# Altium PCB WL-MAIN.PcbDoc (part 1 of 3) (continued)
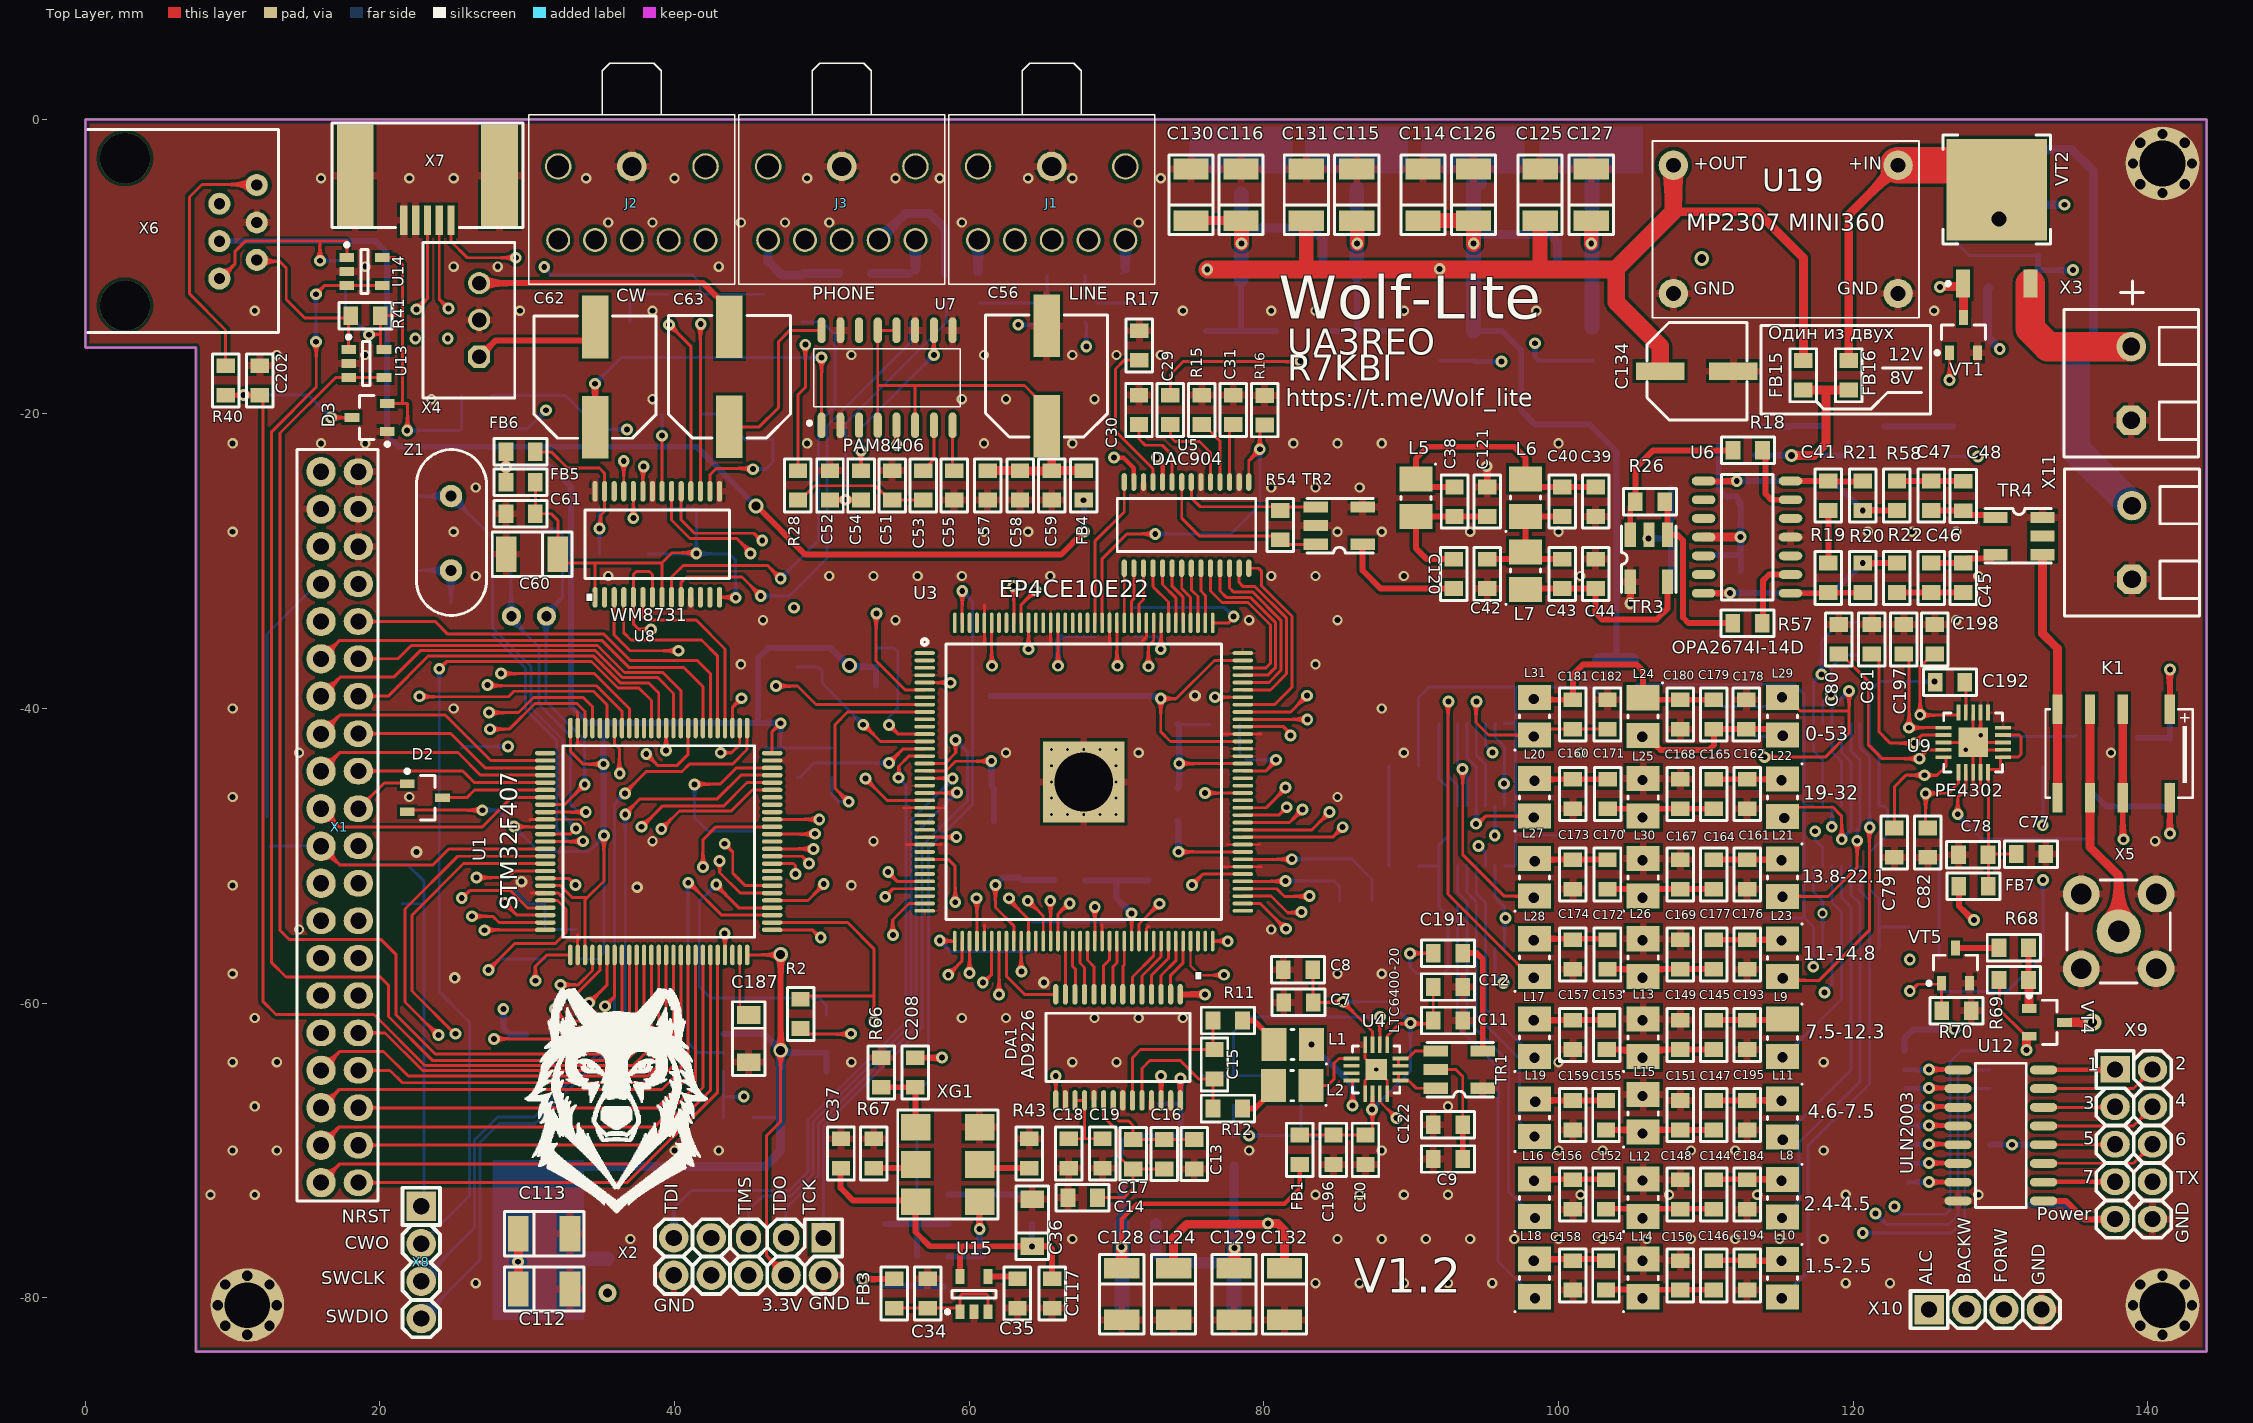
[diagram p0: Top Layer view]
## Components (designator, comment, footprint, x,y, rotation, side; value= is the part's Value field where it differs from the comment) (continued)
C124 "10uF 10V" TANTAL_B#1 73.875,-79.75 r270 top
C125 "10uF 10V" TANTAL_B#1 98.75,-5.125 r90 top
C126 "10uF 10V" TANTAL_B#1 94.232,-5.125 r90 top
C127 "10uF 10V" TANTAL_B#1 102.225,-5.125 r90 top
C128 "10uF 10V" TANTAL_B#1 70.35,-79.75 r270 top
C129 "10uF 10V" TANTAL_B#1 77.975,-79.75 r270 top
C130 "10uF 10V" TANTAL_B#1 75.058,-5.125 r90 top
C131 "10uF 10V" TANTAL_B#1 82.883,-5.125 r90 top
C132 "10uF 10V" TANTAL_B#1 81.4,-79.75 r270 top
C133 "0.1" CH0805C 54.305,-78.173 r90 bottom
C134 "10uF 16V" POLIMER-D 109.4,-17.1 r0 top
C135 "0.1" CH0805C 29.025,-56 r90 bottom
C136 "0.1" CH0805C 112.475,-54.15 r180 bottom
C137 "0.1" CH0805C 100.6,-37.725 r90 bottom
C138 "0.1" CH0805C 100.975,-48.6 r0 bottom
C139 "0.1" CH0805C 89.5,-46.158 r180 bottom
C140 "0.1" CH0805C 85.15,-54.025 r270 bottom
C141 "0.1" CH0805C 121.375,-36.35 r0 bottom
C142 "0.1" CH0805C 87.35,-54.025 r270 bottom
C143 "0.1" CH0805C 121.325,-34.15 r0 bottom
C144 "150p" CH0805C 110.55,-72.992 r270 top
C145 "33p" CH0805C 110.55,-62.15 r270 top
C146 "220p" CH0805C 110.55,-78.475 r270 top
C147 "75p" CH0805C 110.55,-67.6 r270 top
C148 "200p" CH0805C 108.275,-72.992 r270 top
C149 "56p" CH0805C 108.275,-62.15 r270 top
C150 "330p" CH0805C 108.275,-78.475 r270 top
C151 "120p" CH0805C 108.275,-67.6 r270 top
C152 "150p" CH0805C 103.225,-72.992 r90 top
C153 "33p" CH0805C 103.275,-62.15 r90 top
C154 "220p" CH0805C 103.225,-78.475 r90 top
C155 "75p" CH0805C 103.225,-67.6 r90 top
C156 "220p" CH0805C 100.975,-72.992 r90 top
C157 "68p" CH0805C 100.975,-62.15 r90 top
C158 "390p" CH0805C 100.975,-78.475 r90 top
C159 "150p" CH0805C 100.975,-67.6 r90 top
C160 "39p" CH0805C 100.975,-45.8 r90 top
C161 "47p" CH0805C 112.8,-51.258 r90 top
C162 "39p" CH0805C 112.8,-45.8 r90 top
C163 "22p" CH0805C 111.1,-40.875 r90 bottom
C164 "22p" CH0805C 110.55,-51.258 r270 top
C165 "22p" CH0805C 110.55,-45.8 r270 top
C166 "22p" CH0805C 113.275,-40.875 r270 bottom
C167 "39p" CH0805C 108.275,-51.258 r270 top
C168 "33p" CH0805C 108.275,-45.8 r270 top
C169 "47p" CH0805C 108.275,-56.692 r270 top
C170 "22p" CH0805C 103.325,-51.258 r90 top
C171 "22p" CH0805C 103.35,-45.8 r90 top
C172 "15p" CH0805C 103.325,-56.692 r90 top
C173 "47p" CH0805C 100.975,-51.258 r90 top
C174 "56p" CH0805C 100.975,-56.692 r90 top
C175 "8.2n" CH0805C 130.125,-13.7 r0 bottom
C176 "56p" CH0805C 112.8,-56.692 r90 top
C177 "15p" CH0805C 110.55,-56.692 r270 top
C178 "91p" CH0805C 112.75,-40.4 r270 top
C179 "15p" CH0805C 110.55,-40.4 r90 top
C180 "91p" CH0805C 108.275,-40.4 r90 top
C181 "22p" CH0805C 100.975,-40.4 r270 top
C182 "22p" CH0805C 103.325,-40.4 r270 top
C183 "0.1" CH0805C 107.125,-37.725 r90 bottom
C184 "220p" CH0805C 112.8,-72.992 r90 top
C185 "0.1" CH0805C 132.95,-69.525 r0 bottom
C186 "0.1" CH0805C 132.025,-72.675 r270 bottom
C187 "1uF 10V" TANTAL_A#2 45.025,-62.4 r270 top
C188 "0.1" CH0805C 139.35,-43 r270 bottom
C189 "22uF 10V" TANTAL_B#2 46.675,-20 r90 bottom
C190 "0.1" CH0805C 41.742,-19 r90 bottom
C191 "0.1" CH0805C 92.5,-56.6 r180 top
C192 "0.1" CH0805C 126.575,-38.225 r180 top
C193 "68p" CH0805C 112.8,-62.15 r90 top
C194 "390p" CH0805C 112.8,-78.475 r90 top
C195 "150p" CH0805C 112.8,-67.6 r90 top
C196 "1000p" CH0805C 84.725,-69.95 r90 top
C197 "0.1" CH0805C 123.45,-35.3 r270 top
C198 "0.1" CH0805C 125.55,-35.3 r270 top
C199 "0.1" CH0805C 35.175,-39.575 r90 bottom
C200 "0.1" CH0805C 63.569,-50.625 r90 bottom
C201 "0.1" CH0805C 29.2,-10.375 r270 bottom
C202 "0.1" CH0805C 11.85,-17.725 r270 top
C203 "0.1" CH0805C 61.7,-55.5 r270 bottom
C204 "0.1" CH0805C 74.95,-34.125 r90 bottom
C205 "0.1" CH0805C 41.45,-25.425 r90 bottom
C206 "10uF 10V" TANTAL_B#2 34.9,-31.25 r270 bottom
C207 "0.1" CH0805C 60.75,-78.173 r270 bottom
C208 "1nf" CH0805C 56.342,-64.706 r90 top
D1 "W25Q16" SOIC-8-1 46.825,-62.725 r0 bottom
D2 "BAT54C" SOT23_132#1 23.05,-46.05 r0 top
D3 "BAV-99" SOT23_132#1 19.3,-20.25 r180 top
DA1 "AD9226" 28-SSOP 70.1,-62.999 r270 top locked
DA2 "AMS117-5" SOT223 77.975,-77.875 r270 bottom
DA3 "AMS117-3.3" SOT223 32.525,-77.35 r180 bottom
DA4 "AMS117-3.3" SOT223 70.367,-77.875 r270 bottom
DA5 "AMS117-3.3" SOT223 102.225,-7.2 r90 bottom
DA6 "AMS117-5" SOT223 94.211,-7.2 r90 bottom
DA7 "AMS117-1.2V" SOT223 86.308,-7.2 r90 bottom
DA8 "AMS117-2.5" SOT223 78.45,-7.2 r90 bottom
FB1 "Ferrite_Bead" CH0805L 82.425,-69.95 r90 top
FB2 "Ferrite_Bead" CH0805L 102.3,-15.375 r90 bottom
FB3 "Ferrite_Bead" CH0805L 54.9,-79.7 r90 top
FB4 "Ferrite_Bead" CH0805L 67.775,-24.85 r270 top
FB5 "Ferrite_Bead" CH0805L 29.55,-24.65 r180 top
FB6 "Ferrite_Bead" CH0805L 29.55,-22.575 r180 top
FB7 "Ferrite_Bead" CH0805L 128.175,-52.075 r180 top
FB8 "Ferrite_Bead" CH0805L 94.236,-15.375 r90 bottom
FB9 "Ferrite_Bead" CH0805L 105,-37.725 r90 bottom
FB10 "Ferrite_Bead" CH0805L 102.7,-37.725 r90 bottom
FB11 "BLM" CH0805L 33.3,-56 r90 bottom
FB12 "BLM" CH0805L 31.162,-56 r90 bottom
FB13 "BLM" CH0805L 64.275,-55.5 r90 bottom
FB14 "BLM" CH0805L 71.175,-34.125 r270 bottom
FB15 "BLM" CH0805L 116.625,-17.375 r270 top
FB16 "BLM" CH0805L 119.7,-17.375 r270 top
J1 "SJ1-3525NG" 3.5-stereo 66.1,-4.7 r270 top value=LINE_IN
J2 "SJ1-3525NG" 3.5-stereo 37.6,-4.7 r270 top value=MIC-IN
J3 "PHONE_OUT" 3.5-stereo 51.85,-4.7 r270 top
K1 "IM06" IMG06 138.025,-43.05 r180 top
L1 "47nH" L1210 81.95,-62.8 r0 top
L2 "47nH" L1210 81.925,-65.6 r0 top
L3 "100uH" CH0805L 70.375,-71.4 r270 bottom
L4 "100uH" CH0805L 77.938,-70.05 r270 bottom
L5 "150nH" L1210 90.318,-25.7 r90 top
L6 "220nH" L1210 97.768,-25.683 r270 top
L7 "150nH" L1210 97.768,-30.633 r270 top
L8 "6.2uH" L1210 115.193,-73.23 r90 top
L9 "2.7uH" L1210 115.193,-62.355 r90 top
L10 "12uH" L1210 115.193,-78.667 r90 top
L11 "3.3uH" L1210 115.193,-67.792 r90 top
L12 "6.2uH" L1210 105.75,-73.213 r270 top
L13 "2.7uH" L1210 105.75,-62.338 r270 top
L14 "12uH" L1210 105.75,-78.65 r270 top
L15 "3.3uH" L1210 105.75,-67.475 r270 top
L16 "6.2uH" L1210 98.375,-73.213 r270 top
L17 "2.7uH" L1210 98.375,-62.338 r270 top
L18 "12uH" L1210 98.375,-78.65 r270 top
L19 "3.3uH" L1210 98.375,-67.775 r270 top
L20 "0.68uH" L1210 98.375,-46.025 r270 top
L21 "1.2uH" L1210 115.193,-51.48 r90 top
L22 "0.68uH" L1210 115.193,-46.042 r90 top
L23 "2.2uH" L1210 115.193,-56.917 r90 top
L24 "150nH" L1210 105.725,-40.542 r90 top
L25 "0.68uH" L1210 105.75,-46.025 r270 top
L26 "2.2uH" L1210 105.75,-56.9 r270 top
L27 "1.2uH" L1210 98.375,-51.463 r270 top
L28 "2.2uH" L1210 98.375,-56.9 r270 top
L29 "150nH" L1210 115.2,-40.525 r270 top
L30 "1.2uH" L1210 105.75,-51.463 r270 top
L31 "150nH" L1210 98.375,-40.525 r270 top
R1 "10k" CH0805R 44.325,-67.75 r0 bottom
R2 "22" CH0805R 48.55,-60.725 r90 top
R3 "1k" CH0805R 30.925,-64.25 r0 bottom
R4 "1k" CH0805R 25.55,-43.675 r90 bottom
R5 "1K" CH0805R 64.256,-73.975 r90 bottom
R6 "1K" CH0805R 62.211,-73.975 r270 bottom
R7 "10k" CH0805R 30.925,-62.125 r180 bottom
R8 "200" CH0805R 24.825,-33.85 r270 bottom
R9 "10k" CH0805R 50.675,-43.675 r270 bottom
R10 "10k" CH0805R 48.325,-43.675 r270 bottom
R11 "33" CH0805R 77.55,-61.175 r180 top
R12 "33" CH0805R 77.55,-67.15 r180 top
R13 "10k" CH0805R 75.825,-65.925 r270 bottom
R14 "10k" CH0805R 78.025,-65.925 r90 bottom
R15 "2K" CH0805R 75.792,-19.725 r270 top
R16 "10K" CH0805R 80.05,-19.75 r270 top
R17 "10K" CH0805R 71.55,-15.35 r270 top
R18 "22" CH0805R 112.85,-22.475 r0 top
R19 "100" CH0805R 118.325,-31.125 r270 top
R20 "470" CH0805R 120.65,-31.125 r90 top
R21 "470" CH0805R 120.65,-25.55 r270 top
R22 "5.6" CH0805R 122.975,-31.125 r270 top
R23 "10K" CH0805R 58.602,-73.975 r90 bottom
R24 "1K" CH0805R 108.6,-29.578 r180 bottom
R25 "1K" CH0805R 108.6,-25.083 r0 bottom
R26 "220" CH0805R 106.218,-25.958 r180 top
R27 "100" CH0805R 58.4,-11.475 r270 bottom
R28 "100" CH0805R 48.375,-24.85 r270 top
R29 "10K" CH0805R 39.15,-19 r90 bottom
R30 "10K" CH0805R 39.6,-12.875 r90 bottom
R31 "680" CH0805R 41.742,-12.875 r90 bottom
R32 "5.6K" CH0805R 62.95,-11.475 r270 bottom
R33 "5.6K" CH0805R 72.6,-11.475 r270 bottom
R34 "10K" CH0805R 26.525,-21 r0 bottom
R35 "10K" CH0805R 26.525,-18.75 r0 bottom
R36 "47K" CH0805R 53.375,-11.475 r90 bottom
R37 "5.6K" CH0805R 70.3,-11.475 r90 bottom
R38 "5.6K" CH0805R 60.75,-11.475 r90 bottom
R39 "30K" CH0805R 132.882,-42.975 r270 bottom
R40 "100" CH0805R 9.525,-17.725 r270 top
R41 "47K" CH0805R 19.025,-13.325 r0 top
R42 "47K" CH0805R 17.648,-10.6 r270 bottom
R43 "47K" CH0805R 64.075,-70.2 r90 top
R44 "10k" CH0805R 124.825,-54.833 r0 bottom
R45 "1k" CH0805R 124.825,-50.45 r0 bottom
R46 "1k" CH0805R 124.825,-57.025 r0 bottom
R47 "1k" CH0805R 89.5,-43.9 r180 bottom
R48 "1k" CH0805R 89.5,-48.417 r180 bottom
R49 "10k" CH0805R 89.5,-50.675 r180 bottom
R50 "30k" CH0805R 126.575,-16.7 r270 bottom
R51 "30k" CH0805R 132.5,-3.05 r90 bottom
R52 "30k" CH0805R 127,-3.05 r90 bottom
R53 "4.7K" CH0805R 130.613,-42.95 r90 bottom
R54 "10k" CH0805R 81.125,-27.55 r90 top
R55 "22" CH0805R 22.45,-13.85 r270 bottom
R56 "22" CH0805R 24.6,-13.85 r270 bottom
R57 "22" CH0805R 112.825,-34.2 r0 top
R58 "5.6" CH0805R 122.975,-25.55 r90 top
R59 "10k" CH0805R 52.975,-43.675 r270 bottom
R60 "10k" CH0805R 77.35,-41.075 r0 bottom
R61 "47K" CH0805R 43.883,-12.875 r90 bottom
R62 "47K" CH0805R 51.125,-11.475 r90 bottom
R63 "47K" CH0805R 56.453,-73.975 r270 bottom
R64 "47K" CH0805R 56.453,-78.173 r90 bottom
R65 "47K" CH0805R 58.602,-78.173 r270 bottom
R66 "*" CH0805R 54.037,-64.706 r270 top
R67 "*" CH0805R 53.524,-70.2 r270 top
R68 "1K" CH0805R 130.904,-56.223 r0 top
R69 "10K" CH0805R 130.904,-58.424 r180 top
R70 "10K" CH0805R 127.02,-60.505 r180 top
R71 "1K" CH0805R 124.825,-59.192 r180 bottom
R72 "1K" CH0805R 118.041,-21.83 r90 bottom
R73 "10K" CH0805R 115.75,-21.83 r270 bottom
R74 "10K" CH0805R 124.204,-21.83 r90 bottom
R75 "1K" CH0805R 126.575,-21.83 r90 bottom
R76 "47k" CH0805R 12.342,-48.374 r270 bottom
TR1 "ADT4-6T (TC4-1)" TC1-4 93.25,-64.525 r90 top
TR2 "TC4-1" TC1-4 85.1,-27.6 r90 top
TR3 "TC4-1" TC1-4 106.118,-29.783 r0 top
TR4 "TC4-1" TC1-4 131.275,-28.275 r270 top
U1 "STM32F407" 100-LQFP 38.925,-49.025 r0 top locked
U2 "M25P80" 8-SOIC 50.985,-36.535 r0 bottom
U3 "EP4CE10E22" 144-QFN 67.775,-44.982 r0 top locked
U4 "LTC6400-20" "16-QFN 3x3" 89.425,-62.7 r270 top
U5 "DAC904" 28-TSSOP 74.75,-27.55 r90 top
U6 "OPA2674I-14D" 14-SOIC 115.75,-32.175 r180 top
U7 "PAM8406" SOP-16 54.425,-17.55 r90 top
U8 "WM8731" 28-SSOP 38.825,-28.85 r90 top locked
U9 "PE4302" "20-QFN (4x4)" 128.15,-42.3 r90 top
U10 "FST3253" 16-SSOP 119.525,-53.475 r270 bottom
U11 "74HC238" 16-SOIC#1 126.375,-67.7 r180 bottom
U12 "ULN2003" 16-SOIC#2 130.05,-68.977 r0 top
U13 "MCP6001UT" SOT23-5 19.075,-16.575 r0 top
U14 "MCP6001UT" SOT23-5 18.95,-10.325 r0 top
U15 "LD3985M33R" SOT23-5 60.325,-79.75 r90 top
U16 "FST3253" 16-SSOP 119.525,-43.825 r270 bottom
U17 "FST3253" 16-SSOP 94.1,-53.475 r90 bottom
U18 "FST3253" 16-SSOP 94.1,-43.825 r90 bottom
U19 "MP2307" "MP2307 MINI360" 106.35,-13.475 r0 top locked
VD1 "1N4108" 1N4148 130.875,-11.45 r0 bottom
VD2 "1N4108" 1N4148 132.65,-7.475 r270 bottom
VD3 "1N4108" 1N4148 141.475,-43.75 r90 bottom
VT1 "BSS123" SOT23_132#1 127.5,-14.65 r90 top
VT2 "IRFR9024NPBF" D2PAK_132 129.75,-7.966 r90 top
VT3 "2N7002" SOT23_132#2 136.049,-43.025 r270 bottom
VT4 "IRFR6402" SOT23_132#1 133.147,-61.299 r0 top
VT5 "2N7002" SOT23_132#1 126.95,-57.446 r90 top
VT6 "IRFR6402" SOT23_132#2 112.152,-21.83 r180 bottom
VT7 "2N7002" SOT23_132#2 120.898,-21.814 r180 bottom
X1 "FPC 0.5" "CON: PLD2X20" 8.38,-23.92 r270 top locked
X2 "JTAG" "CON: PLD-10"#1 45.025,-77.2 r180 top
X3 "POWER 13.8V" "CON: 300-02P-5.0" 138.875,-17.925 r90 top
X4 "Speaker" "CON: CWF-3" 26.737,-13.622 r90 top
X5 "SMA" "CON: SMA" 138.025,-55.125 r0 top
X6 "\"PTT\"" RJ25-6pin -2.76,-0.695 r270 top locked
X7 "\"USB\"" USB-mini 23.825,-1.25 r270 top
X8 "ST-Link" "CON: PLS-4" 22.8,-77.6 r270 top
X9 "PLD10" "CON: PLD-10"#2 139.05,-69.575 r270 top
X10 "*" "CON: PLS-4" 128.968,-80.8 r0 top
X11 "POWER 13.8V" "CON: 300-02P-5.0" 138.925,-28.725 r90 top
XG1 "61.44Mhz" "OCS: GENA" 60.75,-73.45 r180 top
Z1 "8 мГц" OSC-dip 24.825,-28.125 r0 top
Z2 "32768 кГ" Qz 30.475,-34.475 r0 bottom

## Footprints (in the part's own frame and the unit in brackets; to place one, negate y for a bottom-side part, rotate by r counter-clockwise, add the part's x,y. Pads: shape width x height; smd on the part's side, far side on the other; paste and mask are expansions set on the pad)
1N4148 [mm] "MELF Diode, 2-Leads, Body 3,60x1,30mm, IPC Medium Density"
  rect 1.35x1.55 smd: 1(-1.675,0) 2(1.675,0)
  silkscreen extent -0.6,-0.67 0.6,0.67, body extent -1.7,-0.7 1.7,0.7, height 1.36
3.5-stereo [mm]
  round 2 hole 1.3: 1(-1.5,-0.5)
  round 1.624 hole 1.3: 2(3.5,4.5) 3(3.5,2) 4(3.5,-3) 5(3.5,-5.5) ""(3.5,-0.5)
  round 1.8 hole 1.5: ""(-1.5,4.5) ""(-1.5,-5.5)
  silkscreen extent -8.5,-7.5 6.5,6.5, body extent -8,-6.5 6,5.5, height 5.5
8-SOIC [mm]
  rrect100% 1.55x0.6 smd: 1(-2.7,1.905) 2(-2.7,0.635) 3(-2.7,-0.635) 4(-2.7,-1.905) 5(2.7,-1.905) 6(2.7,-0.635) 7(2.7,0.635) 8(2.7,1.905)
  round 0.7 on Mech2: 28(-2.395,1.8)
  silkscreen extent -2.82,-2.3 1.61,2.82, body extent -3,-2.45 3,2.45, height 1.75
14-SOIC [mm]
  rrect100% 0.5x0.5 on Top Overlay: 0(0,0.8)
  rrect100% 1.6x0.6 smd: 1(0,0) 2(0,-1.27) 3(0,-2.54) 4(0,-3.81) 5(0,-5.08) 6(0,-6.35) 7(0,-7.62) 8(5.9,-7.62) 9(5.9,-6.35) 10(5.9,-5.08) 11(5.9,-3.81) 12(5.9,-2.54) 13(5.9,-1.27) 14(5.9,0)
  round 0.5 on Mech1: ""(0.5,0)
  silkscreen extent 1.2,-8.05 4.7,0.45, body extent -0.12,-8.15 6.02,0.55, height 1.78
"16-QFN 3x3" [mm]
  rect 1.1x0.25 smd: 1(0.125,-1.05) 2(0.125,-1.55) 3(0.125,-2.05) 4(0.125,-2.55) 9(3.45,-2.55) 10(3.45,-2.05) 11(3.45,-1.55) 12(3.45,-1.05)
  rect 0.25x1.1 smd: 5(1.05,-3.475) 6(1.55,-3.475) 7(2.05,-3.475) 8(2.55,-3.475) 13(2.55,-0.15) 14(2.05,-0.15) 15(1.55,-0.15) 16(1.05,-0.15)
  rect 1.45x1.45 smd: 17(1.8,-1.8)
  round 0.7 hole 0.3: 17(1.8,-1.8)
  round 0.35 on Top Overlay: ""(-0.2,-0.4)
  round 0.5 on Mech1: ""(0.7,-0.7)
  silkscreen extent 0.2,-3.4 3.4,-0.2, body extent 0.3,-3.3 3.3,-0.3, height 0.9
16-SOIC#1 [mm]
  oval 1.85x0.6 smd: 1(-2.925,4.448) 2(-2.925,3.178) 3(-2.925,1.908) 4(-2.925,0.638) 5(-2.925,-0.632) 6(-2.925,-1.902) 7(-2.925,-3.172) 8(-2.925,-4.442) 9(2.875,-4.442) 10(2.875,-3.172) 11(2.875,-1.902) 12(2.875,-0.632) 13(2.875,0.638) 14(2.875,1.908) 15(2.875,3.178) 16(2.875,4.448)
  round 0.7 on Bottom Overlay: 10(-2.9,5.4)
  round 0.7 on Mech2: 25(-2.5,4.3)
  silkscreen extent -1.75,-4.9 1.7,4.9, body extent -3.09,-5.01 3.04,4.96, height 1.73
16-SOIC#2 [mm]
  oval 1.85x0.6 smd: 1(-2.925,4.448) 2(-2.925,3.178) 3(-2.925,1.908) 4(-2.925,0.638) 5(-2.925,-0.632) 6(-2.925,-1.902) 7(-2.925,-3.172) 8(-2.925,-4.442) 9(2.875,-4.442) 10(2.875,-3.172) 11(2.875,-1.902) 12(2.875,-0.632) 13(2.875,0.638) 14(2.875,1.908) 15(2.875,3.178) 16(2.875,4.448)
  round 0.7 on Top Overlay: 10(-2.9,5.4)
  round 0.7 on Mech1: 25(-2.5,4.3)
  silkscreen extent -1.75,-4.9 1.7,4.9, body extent -3.09,-5.01 3.04,4.96, height 1.73
16-SSOP [mm] "SOP, 16-Leads, Body 4,90x3,91mm, Pitch 0,64mm, IPC Medium Density"
  oval 1.4x0.35 smd: 1(-2.8,2.223) 2(-2.8,1.588) 3(-2.8,0.953) 4(-2.8,0.318) 5(-2.8,-0.317) 6(-2.8,-0.952) 7(-2.8,-1.587) 8(-2.8,-2.222) 9(2.8,-2.223) 10(2.8,-1.588) 11(2.8,-0.953) 12(2.8,-0.318) 13(2.8,0.317) 14(2.8,0.952) 15(2.8,1.587) 16(2.8,2.222)
  round 0.5 on Mech2: ""(-2.6,2)
  silkscreen extent -2.92,-2.4 1.6,3.02, body extent -3.13,-2.5 3.13,2.5, height 1.73
"20-QFN (4x4)" [mm]
  round 0.4 on Top Overlay: 0(-2.5,1.8)
  rect 1.1x0.25 smd: 1(-2.025,1) 2(-2.025,0.5) 3(-2.025,0) 4(-2.025,-0.5) 5(-2.025,-1) 11(2.025,-1) 12(2.025,-0.5) 13(2.025,0) 14(2.025,0.5) 15(2.025,1)
  rect 0.25x1.1 smd: 6(-1,-2.025) 7(-0.5,-2.025) 8(0,-2.025) 9(0.5,-2.025) 10(1,-2.025) 16(1,2.025) 17(0.5,2.025) 18(0,2.025) 19(-0.5,2.025) 20(-1,2.025)
  round 0.7 hole 0.3: 21(-0.5,0.5) 21(0.5,-0.5)
  rect 2x2 smd: 21(0,0)
  round 0.5 on Mech1: 23(-1.5,1.5)
  silkscreen extent -2,-2 2,2, body extent -2.02,-2.01 2,2.01, height 0.78
28-SSOP [mm]
  rrect100% 1.4x0.35 smd: 1(-3.6,4.225) 2(-3.6,3.575) 3(-3.6,2.925) 4(-3.6,2.275) 5(-3.6,1.625) 6(-3.6,0.975) 7(-3.6,0.325) 8(-3.6,-0.325) 9(-3.6,-0.975) 10(-3.6,-1.625) 11(-3.6,-2.275) 12(-3.6,-2.925) 13(-3.6,-3.575) 14(-3.6,-4.225) 15(3.6,-4.225) 16(3.6,-3.575) 17(3.6,-2.925) 18(3.6,-2.275) 19(3.6,-1.625) 20(3.6,-0.975) 21(3.6,-0.325) 22(3.6,0.325) 23(3.6,0.975) 24(3.6,1.625) 25(3.6,2.275) 26(3.6,2.925) 27(3.6,3.575) 28(3.6,4.225)
  round 0.5 on Mech1: ""(-3.4,4.6)
  silkscreen extent -2.32,-4.9 2.32,4.9, body extent -3.88,-5.16 3.88,5.17, height 2.15
28-TSSOP [mm] "SOP, 28-Leads, Body 9,70x4,40mm, Pitch 0,65mm, IPC Medium Density"
  oval 1.2x0.35 smd: 1(-2.925,4.225) 2(-2.925,3.575) 3(-2.925,2.925) 4(-2.925,2.275) 5(-2.925,1.625) 6(-2.925,0.975) 7(-2.925,0.325) 8(-2.925,-0.325) 9(-2.925,-0.975) 10(-2.925,-1.625) 11(-2.925,-2.275) 12(-2.925,-2.925) 13(-2.925,-3.575) 14(-2.925,-4.225) 15(2.925,-4.225) 16(2.925,-3.575) 17(2.925,-2.925) 18(2.925,-2.275) 19(2.925,-1.625) 20(2.925,-0.975) 21(2.925,-0.325) 22(2.925,0.325) 23(2.925,0.975) 24(2.925,1.625) 25(2.925,2.275) 26(2.925,2.925) 27(2.925,3.575) 28(2.925,4.225)
  round 0.5 on Top Overlay: ""(-2.9,4.9)
  round 0.5 on Mech1: ""(-2.7,4.4)
  silkscreen extent -1.8,-4.7 1.8,4.7, body extent -3.2,-4.85 3.2,4.85, height 1.2
100-LQFP [mm] "Thin QFP, 100-Leads, Body 14x14mm, Pitch 0.5mm, IPC Medium Density"
  oval 1.4x0.3 smd: 1(-7.7,6) 2(-7.7,5.5) 3(-7.7,5) 4(-7.7,4.5) 5(-7.7,4) 6(-7.7,3.5) 7(-7.7,3) 8(-7.7,2.5) 9(-7.7,2) 10(-7.7,1.5) 11(-7.7,1) 12(-7.7,0.5) 13(-7.7,0) 14(-7.7,-0.5) 15(-7.7,-1) 16(-7.7,-1.5) 17(-7.7,-2) 18(-7.7,-2.5) 19(-7.7,-3) 20(-7.7,-3.5) 21(-7.7,-4) 22(-7.7,-4.5) 23(-7.7,-5) 24(-7.7,-5.5) 25(-7.7,-6) 51(7.7,-6) 52(7.7,-5.5) 53(7.7,-5) 54(7.7,-4.5) 55(7.7,-4) 56(7.7,-3.5) 57(7.7,-3) 58(7.7,-2.5) 59(7.7,-2) 60(7.7,-1.5) 61(7.7,-1) 62(7.7,-0.5) 63(7.7,0) 64(7.7,0.5) 65(7.7,1) 66(7.7,1.5) 67(7.7,2) 68(7.7,2.5) 69(7.7,3) 70(7.7,3.5) 71(7.7,4) 72(7.7,4.5) 73(7.7,5) 74(7.7,5.5) 75(7.7,6)
  round 0.5 on Top Overlay: 1(-7.7,6.7)
  oval 0.3x1.4 smd: 26(-6,-7.7) 27(-5.5,-7.7) 28(-5,-7.7) 29(-4.5,-7.7) 30(-4,-7.7) 31(-3.5,-7.7) 32(-3,-7.7) 33(-2.5,-7.7) 34(-2,-7.7) 35(-1.5,-7.7) 36(-1,-7.7) 37(-0.5,-7.7) 38(0,-7.7) 39(0.5,-7.7) 40(1,-7.7) 41(1.5,-7.7) 42(2,-7.7) 43(2.5,-7.7) 44(3,-7.7) 45(3.5,-7.7) 46(4,-7.7) 47(4.5,-7.7) 48(5,-7.7) 49(5.5,-7.7) 50(6,-7.7) 76(6,7.7) 77(5.5,7.7) 78(5,7.7) 79(4.5,7.7) 80(4,7.7) 81(3.5,7.7) 82(3,7.7) 83(2.5,7.7) 84(2,7.7) 85(1.5,7.7) 86(1,7.7) 87(0.5,7.7) 88(0,7.7) 89(-0.5,7.7) 90(-1,7.7) 91(-1.5,7.7) 92(-2,7.7) 93(-2.5,7.7) 94(-3,7.7) 95(-3.5,7.7) 96(-4,7.7) 97(-4.5,7.7) 98(-5,7.7) 99(-5.5,7.7) 100(-6,7.7)
  round 0.5 on Mech1: ""(-7.5,7.5)
  silkscreen extent -6.5,-6.5 6.5,6.5, body extent -8,-7.99 8,8.01, height 1.5
144-QFN [mm]
  round 0.5 on Mech1: 0(-10.5,10.5)
  oval 1.4x0.25 smd: 1(-10.8,8.75) 2(-10.8,8.25) 3(-10.8,7.75) 4(-10.8,7.25) 5(-10.8,6.75) 6(-10.8,6.25) 7(-10.8,5.75) 8(-10.8,5.25) 9(-10.8,4.75) 10(-10.8,4.25) 11(-10.8,3.75) 12(-10.8,3.25) 13(-10.8,2.75) 14(-10.8,2.25) 15(-10.8,1.75) 16(-10.8,1.25) 17(-10.8,0.75) 18(-10.8,0.25) 19(-10.8,-0.25) 20(-10.8,-0.75) 21(-10.8,-1.25) 22(-10.8,-1.75) 23(-10.8,-2.25) 24(-10.8,-2.75) 25(-10.8,-3.25) 26(-10.8,-3.75) 27(-10.8,-4.25) 28(-10.8,-4.75) 29(-10.8,-5.25) 30(-10.8,-5.75) 31(-10.8,-6.25) 32(-10.8,-6.75) 33(-10.8,-7.25) 34(-10.8,-7.75) 35(-10.8,-8.25) 36(-10.8,-8.75) 73(10.8,-8.75) 74(10.8,-8.25) 75(10.8,-7.75) 76(10.8,-7.25) 77(10.8,-6.75) 78(10.8,-6.25) 79(10.8,-5.75) 80(10.8,-5.25) 81(10.8,-4.75) 82(10.8,-4.25) 83(10.8,-3.75) 84(10.8,-3.25) 85(10.8,-2.75) 86(10.8,-2.25) 87(10.8,-1.75) 88(10.8,-1.25) 89(10.8,-0.75) 90(10.8,-0.25) 91(10.8,0.25) 92(10.8,0.75) 93(10.8,1.25) 94(10.8,1.75) 95(10.8,2.25) 96(10.8,2.75) 97(10.8,3.25) 98(10.8,3.75) 99(10.8,4.25) 100(10.8,4.75) 101(10.8,5.25) 102(10.8,5.75) 103(10.8,6.25) 104(10.8,6.75) 105(10.8,7.25) 106(10.8,7.75) 107(10.8,8.25) 108(10.8,8.75)
  oval 0.25x1.4 smd: 37(-8.75,-10.8) 38(-8.25,-10.8) 39(-7.75,-10.8) 40(-7.25,-10.8) 41(-6.75,-10.8) 42(-6.25,-10.8) 43(-5.75,-10.8) 44(-5.25,-10.8) 45(-4.75,-10.8) 46(-4.25,-10.8) 47(-3.75,-10.8) 48(-3.25,-10.8) 49(-2.75,-10.8) 50(-2.25,-10.8) 51(-1.75,-10.8) 52(-1.25,-10.8) 53(-0.75,-10.8) 54(-0.25,-10.8) 55(0.25,-10.8) 56(0.75,-10.8) 57(1.25,-10.8) 58(1.75,-10.8) 59(2.25,-10.8) 60(2.75,-10.8) 61(3.25,-10.8) 62(3.75,-10.8) 63(4.25,-10.8) 64(4.75,-10.8) 65(5.25,-10.8) 66(5.75,-10.8) 67(6.25,-10.8) 68(6.75,-10.8) 69(7.25,-10.8) 70(7.75,-10.8) 71(8.25,-10.8) 72(8.75,-10.8) 109(8.75,10.8) 110(8.25,10.8) 111(7.75,10.8) 112(7.25,10.8) 113(6.75,10.8) 114(6.25,10.8) 115(5.75,10.8) 116(5.25,10.8) 117(4.75,10.8) 118(4.25,10.8) 119(3.75,10.8) 120(3.25,10.8) 121(2.75,10.8) 122(2.25,10.8) 123(1.75,10.8) 124(1.25,10.8) 125(0.75,10.8) 126(0.25,10.8) 127(-0.25,10.8) 128(-0.75,10.8) 129(-1.25,10.8) 130(-1.75,10.8) 131(-2.25,10.8) 132(-2.75,10.8) 133(-3.25,10.8) 134(-3.75,10.8) 135(-4.25,10.8) 136(-4.75,10.8) 137(-5.25,10.8) 138(-5.75,10.8) 139(-6.25,10.8) 140(-6.75,10.8) 141(-7.25,10.8) 142(-7.75,10.8) 143(-8.25,10.8) 144(-8.75,10.8)
  rect 5.5x5.5 all layers, no hole mask+0.102: 145(0,0)
  silkscreen extent -11,-9.35 9.35,9.7, body extent -11,-11 11,11, height 1.63
CH0805C [mm] "Chip Capacitor, 2-Leads, Body 2,00x1,20mm, IPC Medium Density"
  rect 1x1.25 smd: 1(-1,0) 2(1,0)
  silkscreen extent -1.8,-0.9 1.8,0.9, body extent -1,-0.62 1,0.63, height 0.78
CH0805L [mm]
  rect 1x1.25 smd: 1(-1,0) 2(1,0)
  silkscreen extent -1.8,-0.9 1.8,0.9, body extent -1,-0.62 1,0.63, height 0.85
CH0805R [mm]
  rect 1x1.25 smd: 1(-1,0) 2(1,0)
  silkscreen extent -1.8,-0.9 1.8,0.9, body extent -1,-0.6 1,0.6, height 0.44
"CON: 300-02P-5.0" [mm] "2 pin 5.08mm screw connector"
  oct 2x2 hole 1.2: 1(-2.5,0)
  round 2 hole 1.2: 2(2.5,0)
  round 0.5 on Mech1: 13(-4.4,-3.9)
  silkscreen extent -5,-4.57 5,4.57, body extent -5.08,-4.44 5.08,4.56, height 12.5
"CON: CWF-3" [mm]
  oct 1.5x1.5 hole 1: 1(-2.5,0)
  round 1.5 hole 1: 2(0,0) 3(2.5,0)
  round 0.5 on Mech1: 28(-4.5,-1.7)
  silkscreen extent -5.29,-2.41 5.25,3.81, body extent -5,-2.2 5,3.55, height 7
"CON: PLD2X20" [mm]
  round 2 hole 1.1: 1(0,7.62) 3(2.54,7.62) 5(5.08,7.62) 7(7.63,7.62) 9(10.17,7.62) 11(12.71,7.62) 13(15.25,7.62) 15(17.8,7.62) 17(20.34,7.62) 19(22.88,7.62) 21(25.424,7.62) 23(27.94,7.62) 33(40.64,7.62) 35(43.18,7.62) 37(45.72,7.62) 39(48.26,7.62)
  oval 1.8x2 hole 1.1: 2(0,10.16) 4(2.54,10.16) 6(5.09,10.16) 8(7.62,10.16) 10(10.17,10.16) 12(12.7,10.16) 14(15.24,10.16) 16(17.78,10.16) 18(20.32,10.16) 20(22.88,10.16) 22(25.4,10.16) 24(27.94,10.16) 25(30.48,7.62) 26(30.48,10.16) 27(33.02,7.62) 28(33.02,10.16) 29(35.56,7.62) 30(35.56,10.16) 31(38.1,7.62) 32(38.1,10.16) 34(40.64,10.16) 36(43.18,10.16) 38(45.72,10.16) 40(48.26,10.16)
  silkscreen extent -1.5,6 49.5,11.5, body extent -1.27,-2.56 49.61,10.48, height 5
"CON: PLD-10"#1 [mm]
  rect 1.6x2 hole 1.1: 1(-5.08,-1.27)
  round 2 hole 1.1: 2(-5.08,1.27) 4(-2.54,1.27) 6(0,1.27) 7(2.54,-1.27) 8(2.54,1.27) 9(5.08,-1.27) 10(5.08,1.27)
  oval 1.8x2 hole 1.1: 3(-2.54,-1.27)
  oval 1.7x2 hole 1.1: 5(0,-1.27)
  silkscreen extent -6.35,-2.54 6.35,2.54, body extent -6.35,-2.54 6.35,2.54, height 8.54
"CON: PLD-10"#2 [mm]
  rect 1.8x2 hole 1.1: 1(-5.08,-1.27)
  oval 1.8x2 hole 1.1: 2(-5.08,1.27) 3(-2.54,-1.27) 4(-2.54,1.27) 5(0,-1.27) 6(0,1.27) 7(2.54,-1.27) 8(2.54,1.27) 9(5.08,-1.27) 10(5.08,1.27)
  silkscreen extent -6.35,-2.54 6.35,2.54, body extent -6.35,-2.54 6.35,2.54, height 8.54
"CON: PLS-4" [mm] "PLS-40 4 pin header"
  rect 2x2 hole 1.1: 1(-3.81,0)
  round 2 hole 1.1: 2(-1.27,0) 3(1.27,0) 4(3.81,0)
  silkscreen extent -5.08,-1.27 5.08,1.27, body extent -5.08,-1.27 5.08,1.27, height 8.54
"CON: SMA" [mm]
  round 3 hole 1.45: 1(0,0)
  round 2.5 hole 1.4: 2(-2.54,-2.54) 2(-2.54,2.54) 2(2.54,-2.54) 2(2.54,2.54)
  silkscreen extent -3.5,-3.5 3.5,3.5, body extent -3.5,-3.5 3.5,3.5, height 9.53
D2PAK_132 [mm] "D-PAK, 3-Pads, Body 6,2x6,7mm (max), IPC Medium Density"
  rect 1.9x0.95 smd: 1(-3.191,2.28) 2(-3.191,-2.28)
  rect 6.9x6.8 smd: 3(3.191,0)
  silkscreen extent -3.32,-3.65 6.9,3.65, body extent -4.02,-3.36 6.43,3.37, height 2.39
IMG06 [mm]
  rect 0.7x2 smd: 1(-3.475,-3) 2(-0.275,-3) 3(1.95,-3) 4(4.15,-3) 5(4.15,3) 6(1.95,3) 7(-0.275,3) 8(-3.475,3)
  silkscreen extent -5.02,-3 4.98,3, body extent -4.68,-3.72 5.32,3.78, height 5.7
L1210 [mm]
  rect 1.7x2.24 smd: 1(-1.275,0) 2(1.275,0)
  silkscreen extent -0.1,-1.38 2.34,1.02, body extent -1.62,-1.25 1.58,1.25, height 1.9
"MP2307 MINI360" [mm]
  round 2 hole 1: 1(1.45,10.35) 2(1.45,1.65) 3(16.7,10.35) 4(16.7,1.65)
  silkscreen extent 0.03,0 18.12,12, body extent 0.03,0 18.12,12, height 4.5
"OCS: GENA" [mm]
  round 0.5 on Top Overlay: 0(-1.7,1.2)
  rect 2x1.8 smd: 1(0.04,0.04) 2(0.04,-2.5) 3(0.04,-5.04) 4(4.37,-5.04) 5(4.37,-2.5) 6(4.37,0.04)
  silkscreen extent -1.2,-6.2 5.6,1.2, body extent -0.5,-6 4.5,1, height 1.8
OSC-dip [mil]
  round 60 hole 30: 1(0,100.39) 2(0,-98.43)
  silkscreen extent -93,-218 94,224, body extent -91,-219 91,222, height 138
POLIMER-D [mm]
  rect 3.3x1.2 smd: 1(-2.5,0) 2(2.475,0)
  silkscreen extent -3.4,-3.3 3.4,3.3, body extent -3.5,-3.3 3.5,3.3, height 7.71
POLIMER-E [mm]
  rect 4.25x1.8 smd: 1(-3.4,0) 2(3.4,0)
  silkscreen extent -4.15,-4.15 4.15,4.15, body extent -4.5,-4.15 4.5,4.15, height 6.3
Qz [mm]
  round 1.3 hole 0.7: 1(-1.55,-0.75) 2(0.825,-0.75)
  silkscreen extent -2.46,-2.89 1.82,1.39, body extent -1.82,-0.93 1.18,10.25, height 3.1
RJ25-6pin [mm]
  round 1.5 hole 0.762: 1(3.77,14.4) 2(5.04,11.86) 3(6.31,14.4) 4(7.58,11.86) 5(8.85,14.4) 6(10.12,11.86)
  silkscreen extent 0,2.93 13.77,15.88, body extent 0.33,-2.47 13.53,15.63, height 11.75
SOIC-8-1 [mm] "SOIC, 8-Leads, Body 5,18x5,21mm, Pitch 1,27mm, IPC Medium Density"
  oval 2x0.6 smd: 1(-3.5,1.905) 2(-3.5,0.635) 3(-3.5,-0.635) 4(-3.5,-1.905) 5(3.5,-1.905) 6(3.5,-0.635) 7(3.5,0.635) 8(3.5,1.905)
  silkscreen extent -3.62,-2.6 2.25,2.88, body extent -3,-2.45 3,2.45, height 1.55
SOP-16 [mm]
  oval 1.75x0.55 smd: 1(-3.225,4.445) 2(-3.225,3.175) 3(-3.225,1.905) 4(-3.225,0.635) 5(-3.225,-0.635) 6(-3.225,-1.905) 7(-3.225,-3.175) 8(-3.225,-4.445) 9(3.225,-4.445) 10(3.225,-3.175) 11(3.225,-1.905) 12(3.225,-0.635) 13(3.225,0.635) 14(3.225,1.905) 15(3.225,3.175) 16(3.225,4.445)
  silkscreen extent -3.2,-4.95 1.97,5.39, body extent -3.5,-5.15 3.5,5.15, height 2.1
SOT23-5 [mm] "SOT23, 5-Leads, Body 2,90x2,80mm, Pitch 0,95mm, IPC Medium Density"
  rect 1x0.6 smd: 1(-1.2,0.95) 2(-1.2,0) 3(-1.2,-0.95) 4(1.2,-0.95) 5(1.2,0.95)
  round 0.5 on Mech1: ""(-1.1,1.1)
  silkscreen extent -1.32,-1.5 0.25,1.92, body extent -1.5,-1.5 1.5,1.5, height 1.3
SOT23_132#1 [mm] "SOT23, 3-Leads, Body 3,0x2,6mm (max), Pitch 0,95mm, IPC Medium Density"
  rect 1x0.6 smd: 1(-1.2,0.95) 2(-1.2,-0.95) 3(1.2,0)
  round 0.5 on Mech1: ""(-0.9,1.1)
  silkscreen extent -1.32,-1.5 0.7,1.92, body extent -1.32,-1.52 1.32,1.52, height 1.12
SOT23_132#2 [mm] "SOT23, 3-Leads, Body 3,0x2,6mm (max), Pitch 0,95mm, IPC Medium Density"
  rect 1x0.6 smd: 1(-1.2,0.95) 2(-1.2,-0.95) 3(1.2,0)
  round 0.5 on Mech2: ""(-0.9,1.1)
  silkscreen extent -1.32,-1.5 0.7,1.92, body extent -1.32,-1.52 1.32,1.52, height 1.12
SOT223 [mm] "SOT223, 4-Leads, Body 6,50x7,00mm (avg), Pitch 2,30mm, IPC Medium Density"
  rect 2.4x1 smd: 1(-2.9,2.3) 2(-2.9,0) 3(-2.9,-2.3)
  rect 4x7 smd: 4(2.9,0)
  round 0.5 on Mech2: ""(-3,2.7)
  silkscreen extent -3.02,-3.2 1.3,3.47, body extent -3.48,-3.25 3.48,3.25, height 1.65
TANTAL_A#1 [mm]
  rect 1.2x1.6 smd: 1(-1.6,0) 2(1.6,0)
  round 0.5 on Mech2: ""(-1.2,0.4)
  silkscreen extent -2.5,-1.1 2.5,1.1, body extent -1.7,-0.84 1.7,0.84, height 1.71
TANTAL_A#2 [mm]
  rect 1.2x1.6 smd: 1(-1.6,0) 2(1.6,0)
  round 0.5 on Mech1: ""(-1.2,0.4)
  silkscreen extent -2.5,-1.1 2.5,1.1, body extent -1.7,-0.84 1.7,0.84, height 1.71
TANTAL_B#1 [mm]
  rect 1.4x2.4 smd: 1(-1.75,0) 2(1.75,0)
  round 0.5 on Mech1: ""(-1.4,1)
  silkscreen extent -2.7,-1.5 2.7,1.5, body extent -1.85,-1.46 1.85,1.47, height 2.03
TANTAL_B#2 [mm]
  rect 1.4x2.4 smd: 1(-1.75,0) 2(1.75,0)
  round 0.5 on Mech2: ""(-1.4,1)
  silkscreen extent -2.7,-1.5 2.7,1.5, body extent -1.85,-1.46 1.85,1.47, height 2.03
TC1-4 [mm]
  rect 0.76x1.65 smd: 1(-1.25,1.575) 2(0.02,1.575) 3(1.29,1.575) 4(1.29,-1.605) 6(-1.25,-1.605)
  silkscreen extent -1.85,-2.32 1.85,2.17, body extent -1.81,-2.08 2,1.73, height 3.81
USB-mini [mm]
  rect 2x0.5 smd: 1(5.6,1) 2(5.6,0.2) 3(5.6,-0.6) 4(5.6,-1.4) 5(5.6,-2.2)
  rect 7x2.5 smd: 5(2.6,4.3) 5(2.6,-5.5)
  round 0.5 on Mech1: 48(6.1,1.9)
  silkscreen extent -1,-7.08 6.11,5.88, body extent -3.3,-5.55 5.9,4.35, height 4.09

## Part data
C1 C2 C3 C4 C5 C6 C7 C8 C9 C10 C11 C12 C13 C14 C15 C16 C17 C18 C19 C21 C22 C23 C24 C25 C26 C28 C29 C30 C31 C32 C33 C34 C35 C37 C38 C39 C40 C41 C42 C43 C44 C45 C46 C47 C48 C49 C50 C51 C52 C53 C54 C55 C57 C58 C59 C61 C66 C67 C68 C69 C75 C76 C77 C78 C79 C80 C81 C82 C83 C84 C85 C86 C87 C88 C89 C90 C91 C92 C93 C94 C95 C96 C97 C98 C99 C100 C101 C102 C103 C104 C105 C106 C107 C108 C109 C110 C111 C117 C118 C119 C120 C121 C122 C133 C135 C136 C137 C138 C139 C140 C141 C142 C143 C144 C145 C146 C147 C148 C149 C150 C151 C152 C153 C154 C155 C156 C157 C158 C159 C160 C161 C162 C163 C164 C165 C166 C167 C168 C169 C170 C171 C172 C173 C174 C175 C176 C177 C178 C179 C180 C181 C182 C183 C184 C185 C186 C188 C190 C191 C192 C193 C194 C195 C196 C197 C198 C199 C200 C201 C202 C203 C204 C205 C207 C208: library part Capacitor
C20 C27 C36 C56 C60 C62 C63 C64 C65 C70 C71 C72 C73 C74 C112 C113 C114 C115 C116 C123 C124 C125 C126 C127 C128 C129 C130 C131 C132 C134 C187 C189 C206: library part TantalCap
D1: library part W25Q32JVZPIQ, "Flash", Manufacturer="Winbond Electronics", ComponentKind=8-WSON, HelpURL=https://www.digikey.com/product-detail/en/winbond-electronics/W25Q32JVZPIQ/W25Q32JVZPIQ-ND/6167525, Model=W25Q32JVZPIQ
DA2 DA3 DA4 DA5 DA6 DA7 DA8: library part AMS117
FB1 FB2 FB3 FB4 FB5 FB6 FB7 FB8 FB9 FB10: library part FB
FB11 FB12 FB13 FB14 FB15 FB16 L1 L2 L3 L4: library part Inductor
J1 J2: library part SJ1-3523N
J3: library part PJ-3,5
K1: library part IM06-1
L5 L6 L7 L8 L9 L10 L11 L12 L13 L14 L15 L16 L17 L18 L19 L20 L21 L22 L23 L24 L25 L26 L27 L28 L29 L30 L31: library part TRANS
R1 R2 R3 R4 R5 R6 R7 R8 R9 R10 R11 R12 R13 R14 R15 R16 R17 R18 R19 R20 R21 R22 R23 R24 R25 R26 R27 R28 R29 R30 R31 R32 R33 R34 R35 R36 R37 R38 R39 R40 R41 R42 R43 R44 R45 R46 R47 R48 R49 R50 R51 R52 R53 R54 R55 R56 R57 R58 R59 R60 R61 R62 R63 R64 R65 R66 R67 R68 R69 R70 R71 R72 R73 R74 R75 R76: library part Resistor
TR1: library part TC4-1
U1: library part STM32F407-Wolf-lite
U3: library part EP4CE10E22C8N
U4: library part LTC6400
U6: library part OPA2674
U12: library part ULN2003_NEW
U13 U14: library part MCP6001UT_1
U15: library part LD3985M33R_SOT23
VD1 VD2 VD3: library part Diod
VT1 VT3 VT5 VT7: library part N-KANAL
VT2 VT4 VT6: library part P-KANAL
X1: library part FPC-45-0.5, System=Connector
X2: library part Jtag
X3 X11: library part 2-Connector
X4: library part 3-Connector
X5: "RF"
X6: library part 6-Connector
X7: library part miniUSB-B, "USB"
X8 X10: library part 4-Connector
X9: library part 10-Connector
XG1: library part Generator
Z1 Z2: library part Oscillator

## Free pads (board coordinates)
  round 5 hole 3.1: 4(11,-80.5) 4(141,-80.5) 4(141,-3)

## Via types
v1: diameter 0.8, hole 0.4, Top Layer to Bottom Layer, tented both sides, 272 vias
v2: diameter 0.7, hole 0.4, Top Layer to Bottom Layer, tented both sides, 169 vias
v3: diameter 0.8, hole 0.7, Top Layer to Bottom Layer, tented both sides, 24 vias
v4: diameter 1.3, hole 0.7, Top Layer to Bottom Layer, 23 vias
v5: diameter 1, hole 0.7, Top Layer to Bottom Layer, 17 vias
v6: diameter 0.5, hole 0.2, Top Layer to Bottom Layer, 16 vias
v7: diameter 1.2, hole 0.7, Top Layer to Bottom Layer, 6 vias
v8: diameter 1, hole 0.6, Top Layer to Bottom Layer, tented both sides, 5 vias
v9: diameter 1.2, hole 0.6, Top Layer to Bottom Layer, tented both sides, 2 vias
v10: diameter 3.4, hole 3.4, Top Layer to Bottom Layer, 2 vias
v11: diameter 0.9, hole 0.5, Top Layer to Bottom Layer, tented both sides, 1 vias
v12: diameter 5, hole 4, Top Layer to Bottom Layer, 1 vias
v13: diameter 2, hole 1, Top Layer to Bottom Layer, tented both sides, 1 vias

## Nets (pads, with @x,y where several pads share a name; then routed paths per layer and width w, separated by ;. In a path a pad name is that pad's centre, name@x,y a point inside that pad or via, vN(x,y) a via of type N, cw(c..) or ccw(c..) an arc to the next point about the centre after c; other vN are vias at no path point)
+1.2V: C97.1 C99.1 C101.1 C103.1 C105.1 C107.1 C109.1 C115.1 C200.1 DA7.2 DA7.4 FB13.2 FB14.2 U3.5 U3.29 U3.45 U3.61 U3.78 U3.102 U3.116 U3.134 | length 145.1
  Top Layer w0.2: U3.29@56.975,-50.232 58.582,-50.232 59.05,-50.7 v1(59.05,-53.15) ; U3.5@56.975,-38.232 v1@58.607,-38.232 ; v1(61.775,-51.975) 61.775,-53.5 63.025,-54.75 U3.45@63.025,-55.782 ; v1@64.025,-35.9 U3.134@64.025,-34.182 ; U3.61@71.025,-55.782 v1@71.025,-54.025 ; v1@73.025,-35.6 U3.116@73.025,-34.182 ; v1(75.125,-51.975) 75.868,-51.232 U3.78@78.575,-51.232 ; v1@76.807,-39.232 U3.102@78.575,-39.232
  Top Layer w1: C115.1@86.308,-7.025 86.333,-7.05 v1(86.333,-8.425)
  Layer 1 w0.4: v1(58.725,-38.25) 61,-35.975 v1(64.025,-35.975) v1(73,-35.975) 76.55,-35.975 ; v1(59.05,-53.15) 60.225,-51.975 v1(61.775,-51.975) v1(75.125,-51.975) 75.2,-40.7 v1(76.675,-39.225) 76.675,-14.8 83.05,-8.425 v1(86.333,-8.425) ; v1(71.025,-53.9) 71.025,-52.025
  Bottom Layer w0.2: FB13.2@64.275,-54.5 70.425,-54.5 v1(71.025,-53.9) ; FB14.2@71.175,-35.125 72.75,-35.125 73,-35.375 v1(73,-35.975)
  Bottom Layer w0.4: v1(61.775,-51.975) 62.275,-51.475 63.419,-51.475 C200.1@63.569,-51.625 C103.1@65.75,-51.625 ; C97.1@67.856,-51.675 C99.1@70,-51.675 ; v1(71.025,-53.9) 70,-52.875 C99.1@70,-51.675 ; C101.1@72.175,-51.675 C99.1@70,-51.675 ; C109.1@84.1,-14.375 C107.1@86.325,-14.375 ; DA7.2@86.308,-10.1 86.325,-10.117 C107.1@86.325,-14.375 ; C105.1@88.575,-14.375 C107.1@86.325,-14.375
  Bottom Layer w1: DA7.2@86.308,-10.5 DA7.4@86.308,-4.7
+2.5V: C83.1 C84.1 C85.1 C86.1 C87.1 C88.1 C89.1 C90.1 C116.1 C130.1 DA7.3 DA8.2 DA8.4 U3.35 U3.96 U3.107 | length 139.6
  Top Layer w0.2: v1@54.8,-55.35 54.8,-54.35 55.918,-53.232 U3.35@56.975,-53.232 ; U3.96@78.575,-42.232 73.657,-42.232 73,-41.575 v1(73,-39.325) 74.05,-39.325 76.643,-36.732 U3.107@78.575,-36.732
  Top Layer w0.6: C130.1@75.058,-6.875 78.3,-6.875 C116.1@78.483,-7.058
  Top Layer w1: v1(78.483,-8.425) C116.1@78.483,-7.058
  Layer 1 w0.4: v1(54.825,-55.375) 56.5,-53.7 56.5,-39.325 ; v1(73,-39.325) 56.5,-39.325 ; v1(78.483,-8.425) 78.483,-10.817 75.35,-13.95 75.35,-32.975 74.05,-34.275 58.475,-34.275 56.5,-36.25 56.5,-39.325
  Bottom Layer w0.4: C85.1@61.425,-39.15 C87.1@63.569,-39.15 C86.1@67.856,-39.15 C83.1@70,-39.15 v1@72.7,-39.15 ; C88.1@76.062,-14.375 C89.1@78.45,-14.375 ; DA8.2@78.45,-10.1 C89.1@78.45,-14.375 ; C90.1@80.837,-14.375 C89.1@78.45,-14.375
  Bottom Layer w0.6: 78.458,-7.375 83.2,-7.375 84.008,-8.183 DA7.3@84.008,-10.1
  Bottom Layer w1: DA8.2@78.458,-10.875 78.458,-7.375 DA8.4@78.458,-5.075
+3.3DAC: C127.1 DA5.2 DA5.4 FB2.2 | length 11.6
  Top Layer w1: v1(102.223,-8.425) 102.223,-6.877 C127.1@102.225,-6.875
  Bottom Layer w1: FB2.2@102.275,-14.125 DA5.4@102.275,-4.05